# Altium PCB charger_pololu_3pi+.PcbDoc
Units mm, origin at the board's own origin, x right, y up, seen from the top; angles counter-clockwise.
Board outline 66.18 x 84.97 mm, 2 copper layers (Top Layer, Bottom Layer); 100 components, 58 nets, 305 pads, 0 vias.
Unrouted connection lines stored in the file: 208.
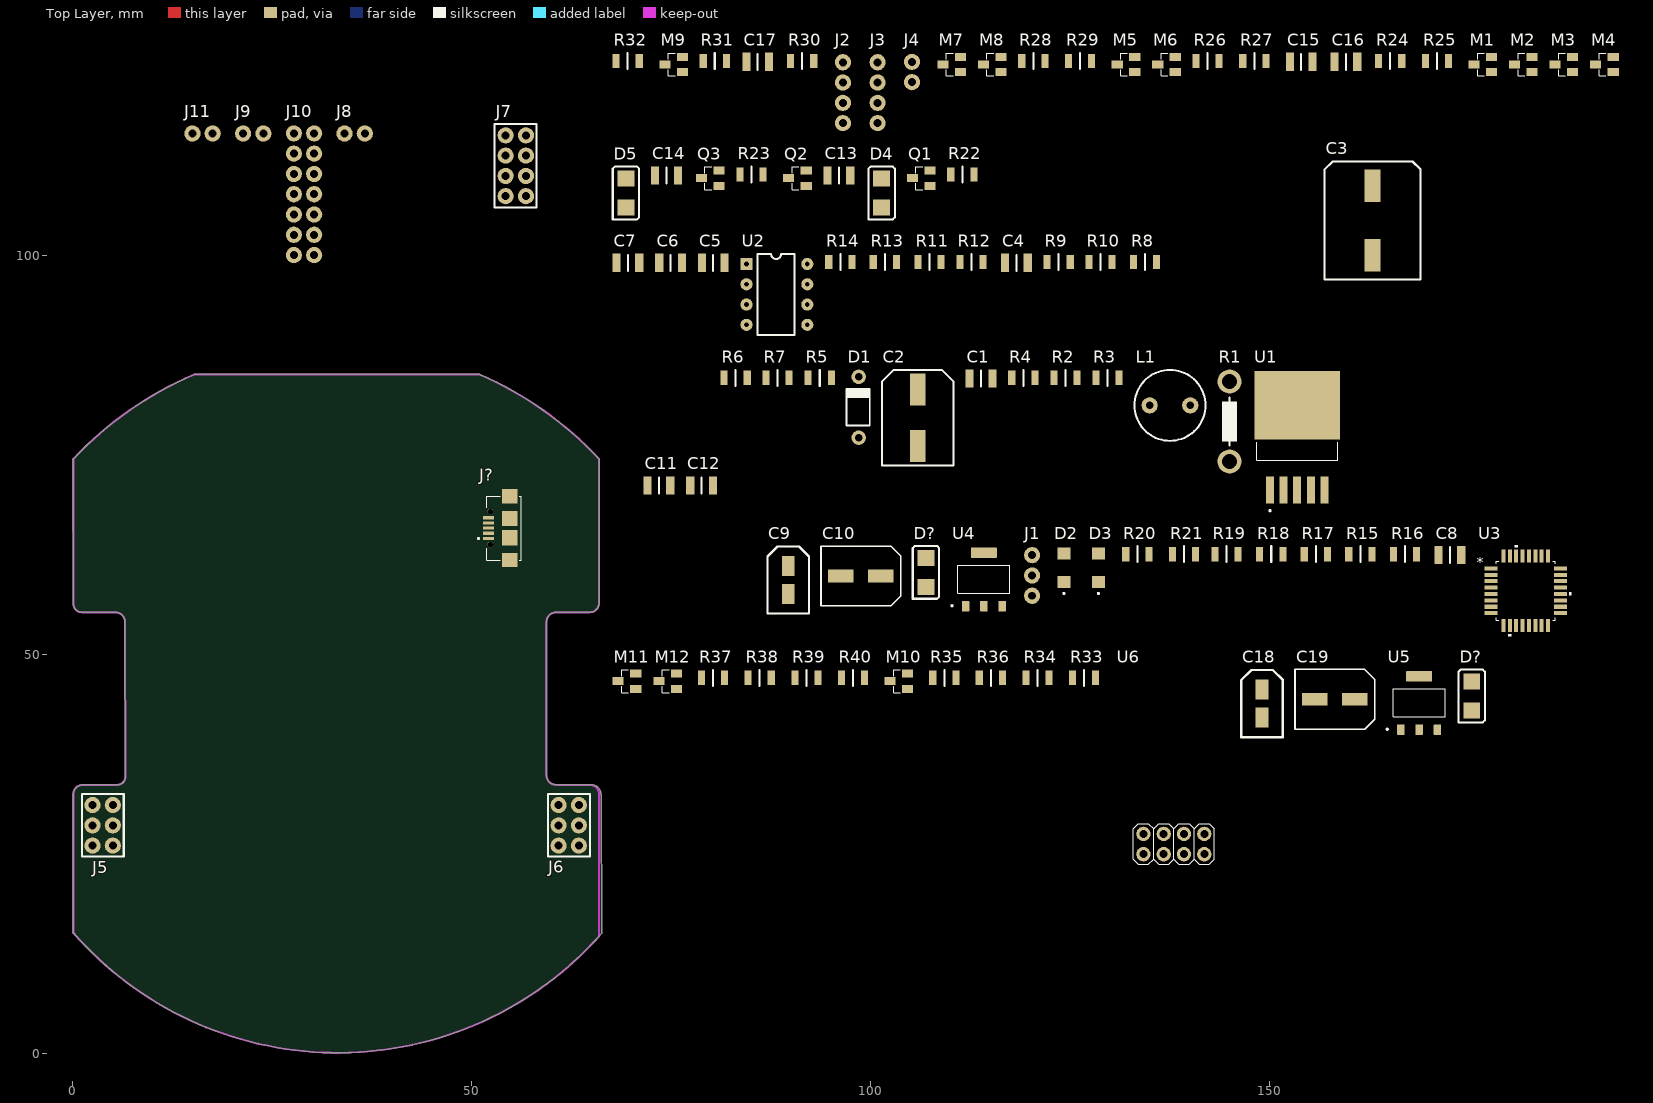
[diagram p0: Top Layer view]
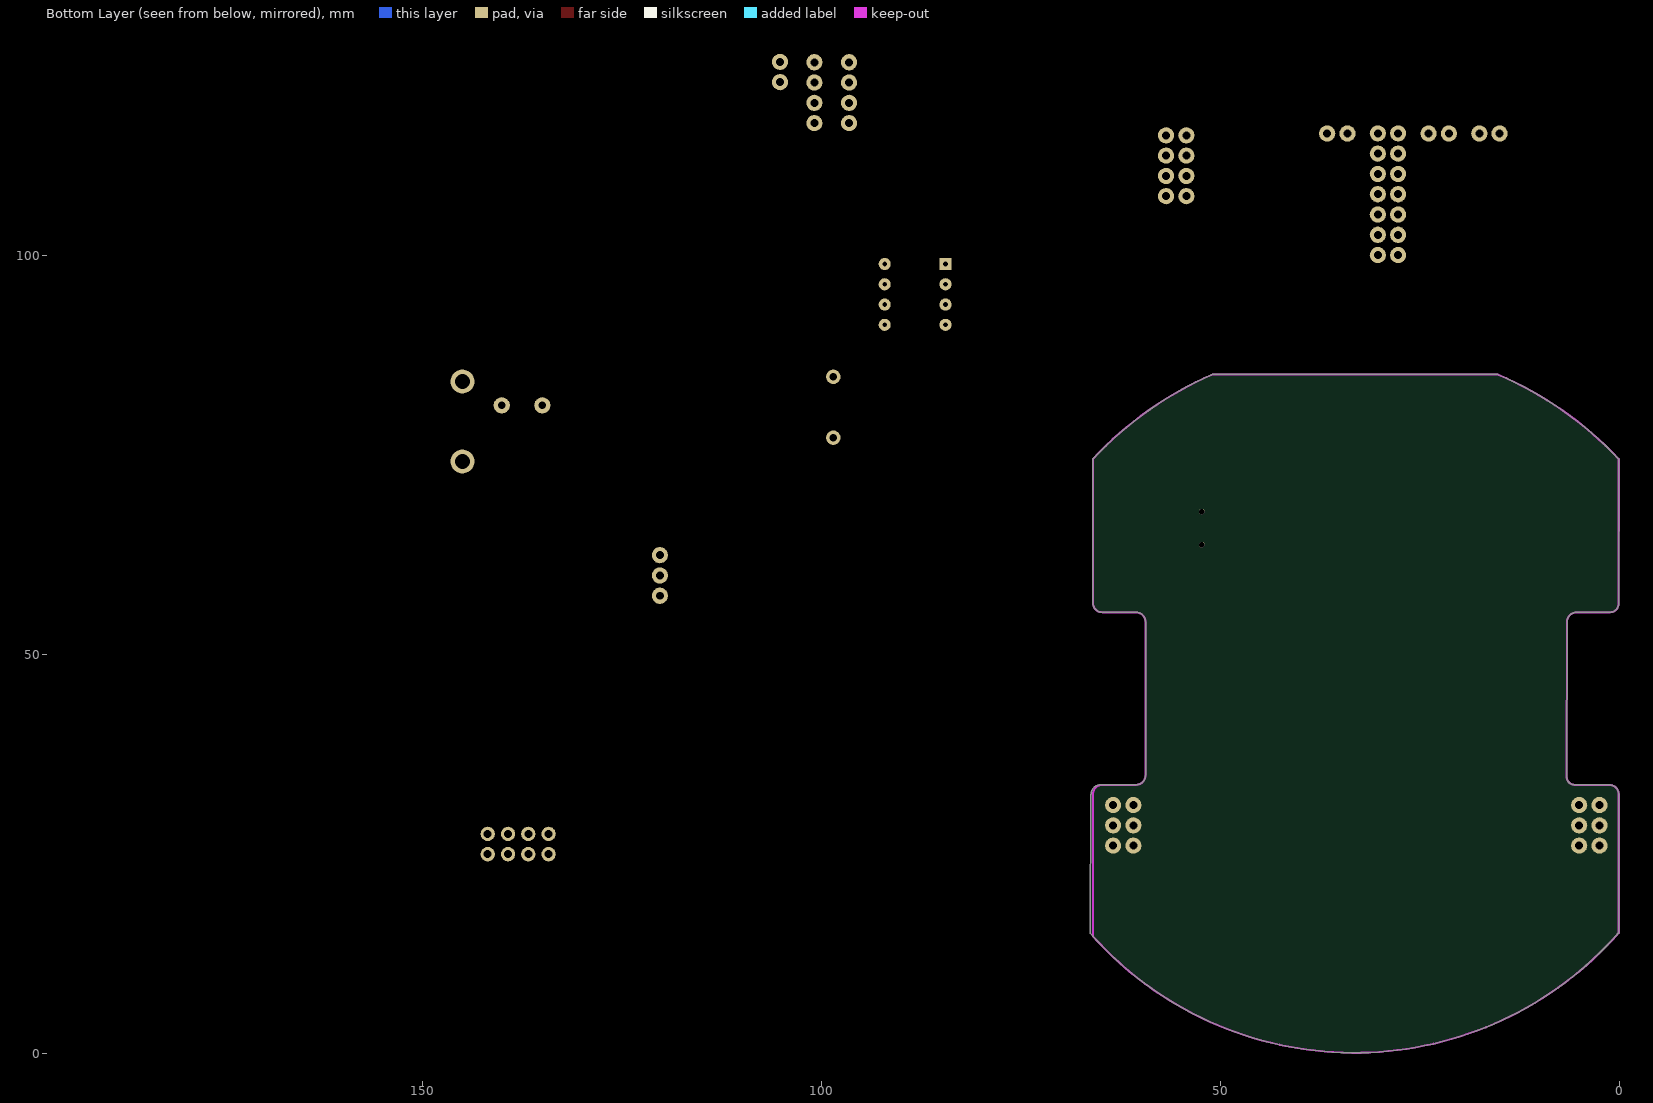
[diagram p1: Bottom Layer view, seen from below]

## Layer stack, top to bottom
Top Solder: solder mask 0.0102, Solder Resist, Dk 3.5
Top Layer: signal copper 0.0356
Dielectric 1: dielectric 0.32, FR-4, Dk 4.8
Bottom Layer: signal copper 0.0356
Bottom Solder: solder mask 0.0102, Solder Resist, Dk 3.5

## Board outline
0.125,15.169 0.127,32.525 0.127,32.5 cw(c1.327,32.5) 1.327,33.7 5.65,33.7 ccw(c5.65,34.702) 6.652,34.702 6.649,34.6 6.6,54.075 6.6,54.1 ccw(c5.4,54.1) 5.4,55.3 1.226,55.3 cw(c1.226,56.386) 0.139,56.386 0.127,74.5 cw(c33.001,43.624) 15.277,85.096 15.275,85.1 51,85.1 51.025,85.101 cw(c32.999,43.76) 66,74.5 66,56.5 cw(c64.8,56.5) 64.8,55.3 60.6,55.3 ccw(c60.6,54.1) 59.4,54.1 59.4,34.9 ccw(c60.6,34.9) 60.6,33.7 65.025,33.7 cw(c65.025,32.5) 66.225,32.5 66.232,32.525 66.3,15.1 66.298,15.076 cw(c33.252,44.127)

## Design rules (kind name [scope] priority, off if disabled: settings)
Clearance [All] p1: gap=0.254 ignorepadtopadclearanceinfootprint=FALSE
PolygonConnect [All] p1: connectstyle=Direct reliefconductorwidth=0.254 reliefentries=4 polygonreliefangle="90 Angle" airgapwidth=0.254
RoutingVias [All] p1: holewidth=0.711 width=1.27 viastyle="Through Hole" minholewidth=0.711 minwidth=1.27 maxholewidth=0.711 maxwidth=1.27
SolderMaskExpansion [All] p1: expansion=0.102 istentingtop=FALSE
Width [All] p1: maxlimit=2.54 minlimit=0.254 preferedwidth=0.762 minimp=50.000000 maximp=50.000000 favimp=50.000000
30 further rules are at their usual default settings.

## Classes and differential pairs
component class Designator: C18 C19 D? J5 J6 J7 J8 J9 J10 J11 M10 M11 M12 R33 R34 R35 R36 R37 R38 R39 R40 U5 U6
component class S6: C15 C16 C17 J2 J3 J4 M1 M2 M3 M4 M5 M6 M7 M8 M9 R24 R25 R26 R27 R28 R29 R30 R31 R32
component class S5: C13 C14 D4 D5 Q1 Q2 Q3 R22 R23
component class S3: C1 C2 C3 D1 L1 R1 R2 R3 R4 R5 R6 R7 U1
component class S1: C8 C9 C10 C11 C12 D2 D3 D? J1 J? R15 R16 R17 R18 R19 R20 R21 SW1 U3 U4
component class S4: C4 C5 C6 C7 R8 R9 R10 R11 R12 R13 R14 U2

## Components (designator, comment, footprint, x,y, rotation, side; value= is the part's Value field where it differs from the comment)
C1 "33nF" C1206 113.831,84.579 r0 top
C2 "220uF" "Electrolytic F" 105.905,79.679 r90 top
C3 "470uF" "Electrolytic G" 162.875,104.375 r90 top
C4 "1uF" C1206 118.256,99.08 r0 top
C5 "100nF" C1206 80.279,99.08 r0 top
C6 "100nF" C1206 74.954,99.08 r0 top
C7 "100nF" C1206 69.603,99.08 r0 top
C8 "100nF" C1206 172.558,62.478 r0 top
C9 "10uF" "Electrolytic B (D 4mm)" 89.679,59.353 r90 top
C10 "100uF" "ELECTROLYTIC D (D 6.3mm)" 98.78,59.853 r0 top
C11 "100nF" C1206 73.478,71.203 r0 top
C12 "100nF" C1206 78.829,71.203 r0 top
C13 "1uF" C1206 96.03,110.03 r0 top
C14 "1uF" C1206 74.429,110.03 r0 top
C15 "33nF" C1206 153.933,124.256 r0 top
C16 "33nF" C1206 159.533,124.256 r0 top
C17 "33nF" C1206 85.854,124.256 r0 top
C18 "10uF" "Electrolytic B (D 4mm)" 149.032,43.877 r90 top
C19 "100uF" "ELECTROLYTIC D (D 6.3mm)" 158.158,44.402 r0 top
D1 "1N5817" SOD81 98.505,77.179 r90 top
D2 "LED" LED_LTST-C230KRKT 124.206,60.878 r90 top
D3 "LED" LED_LTST-C230KRKT 128.531,60.878 r90 top
D4 "1N4007" DO214 101.38,107.83 r90 top
D5 "1N4007" DO214 69.353,107.83 r90 top
D? "1N4007" DO214 106.93,60.303 r90 top
D? "1N4007" DO214 175.284,44.827 r90 top
J1 "1X3 Connector" "1X3 Header-A" 120.231,57.378 r90 top
J2 "1X4 Connector" "1X4 Header-B" 96.53,116.581 r90 top
J3 "1X4 Connector" "1X4 Header-B" 100.88,116.581 r90 top
J4 "1X2 connector" "1X2 Header-A" 105.18,121.706 r90 top
J5 "2x3 Connector" "2x3 HEADER-D" 2.54,31.16 r270 top
J6 "2x3 Connector" "2x3 HEADER-D" 60.92,31.16 r270 top
J7 "2x4 Connector" "2x4 HEADER-D" 56.83,107.426 r90 top
J8 "1X2 connector" "1X2 Header-D" 34.104,115.276 r0 top
J9 "1X2 connector" "1X2 Header-D" 21.404,115.276 r0 top
J10 "2x7 connector" "2x7 HEADER-D" 30.304,100.05 r90 top
J11 "1X2 connector" "1X2 Header-D" 15.053,115.276 r0 top
J? "MicroUSB" "USB Micro-B" 54.8,65.85 r90 top
L1 "68u" "L_RADIAL 0.2" 134.957,81.229 r0 top
M1 "AO3401A" SOT23-3L 176.684,123.931 r0 top
M2 "AO3401A" SOT23-3L 181.759,123.931 r0 top
M3 "AO3401A" SOT23-3L 186.834,123.931 r0 top
M4 "AO3401A" SOT23-3L 191.909,123.931 r0 top
M5 "2N7002" SOT23-3L 131.981,123.931 r0 top
M6 "2N7002" SOT23-3L 137.057,123.931 r0 top
M7 "AO3401A" SOT23-3L 110.155,123.931 r0 top
M8 "AO3401A" SOT23-3L 115.231,123.931 r0 top
M9 "2N7002" SOT23-3L 75.329,123.931 r0 top
M10 "2N7002" SOT23-3L 103.53,46.677 r0 top
M11 "2N7002" SOT23-3L 69.478,46.677 r0 top
M12 "2N7002" SOT23-3L 74.579,46.677 r0 top
Q1 "MMBT5551" SOT23-3L 106.33,109.68 r0 top
Q2 "MMBT5401" SOT23-3L 90.829,109.68 r0 top
Q3 "MMBT5551" SOT23-3L 79.904,109.68 r0 top
R1 "15m" "Shunt 10mm" 144.957,74.204 r90 top
R2 "1.5K" R1206 124.406,84.679 r0 top
R3 "100K" R1206 129.656,84.679 r0 top
R4 "330K" R1206 119.131,84.679 r0 top
R5 "3K" R1206 93.63,84.679 r0 top
R6 "10K" R1206 83.104,84.679 r0 top
R7 "750" R1206 88.354,84.679 r0 top
R8 "33K" R1206 134.382,99.18 r0 top
R9 "10" R1206 123.556,99.18 r0 top
R10 "150" R1206 128.806,99.18 r0 top
R11 "10" R1206 107.38,99.18 r0 top
R12 "150" R1206 112.63,99.18 r0 top
R13 "33K" R1206 101.78,99.18 r0 top
R14 "22K" R1206 96.205,99.18 r0 top
R15 "10K" R1206 161.333,62.578 r0 top
R16 "10K" R1206 166.933,62.578 r0 top
R17 "10K" R1206 155.758,62.578 r0 top
R18 "30K" R1206 150.182,62.578 r0 top
R19 "30K" R1206 144.582,62.578 r0 top
R20 "330" R1206 133.407,62.578 r0 top
R21 "330" R1206 139.257,62.578 r0 top
R22 "1K" R1206 111.48,110.13 r0 top
R23 "1K" R1206 85.079,110.13 r0 top
R24 "10K" R1206 165.083,124.356 r0 top
R25 "10K" R1206 170.933,124.356 r0 top
R26 "10" R1206 142.207,124.356 r0 top
R27 "10" R1206 148.057,124.356 r0 top
R28 "10K" R1206 120.381,124.356 r0 top
R29 "10K" R1206 126.231,124.356 r0 top
R30 "10K" R1206 91.429,124.356 r0 top
R31 "10" R1206 80.479,124.356 r0 top
R32 "10K" R1206 69.578,124.356 r0 top
R33 "10K" R1206 126.731,47.102 r0 top
R34 "20K" R1206 120.906,47.102 r0 top
R35 "10K" R1206 109.23,47.102 r0 top
R36 "10K" R1206 115.056,47.102 r0 top
R37 "10K" R1206 80.254,47.102 r0 top
R38 "10K" R1206 86.104,47.102 r0 top
R39 "10K" R1206 91.954,47.102 r0 top
R40 "10K" R1206 97.78,47.102 r0 top
U1 "LM2596S-ADJ/NOPB" VREG_LM2596S-ADJ/NOPB 153.432,81.229 r90 top
U2 "TL082" DIP8 84.454,98.93 r0 top
U3 "ATMEGA328P-AU" TQFP32_32A_MCH-M 182.059,58.003 r0 top
U4 "AMS1117-5.0" SOT229P700X180-4N 114.181,59.428 r0 top
U5 "AMS1117-3.3" SOT229P700X180-4N 168.708,43.952 r0 top
U6 "ESP-01" ESP-01 137.982,26.276 r0 top

## Footprints (in the part's own frame and the unit in brackets; to place one, negate y for a bottom-side part, rotate by r counter-clockwise, add the part's x,y. Pads: shape width x height; smd on the part's side, far side on the other; paste and mask are expansions set on the pad)
"1X2 Header-A" [mil]
  round 80 hole 39.37: 1(0,0) 2(100,0)
  body extent -49,-49 149,49, height 336
"1X2 Header-D" [mil]
  round 80 hole 39.37: 1(0,0) 2(100,0)
  body extent -50,-50 150,50, height 350
"1X3 Header-A" [mil]
  round 80 hole 39.37: 1(0,0) 2(100,0) 3(200,0)
  body extent -49,-49 249,49, height 336
"1X4 Header-B" [mil]
  round 80 hole 39.37: 1(0,0) 2(100,0) 3(200,0) 4(300,0)
  body extent -50,-50 350,50, height 100
"2x3 HEADER-D" [mil]
  round 80 hole 39.37: 1(0,0) 2(100,0) 3(200,0) 4(200,100) 5(100,100) 6(0,100)
  silkscreen extent -55,-53 253,154, body extent -50,-50 250,150, height 350
"2x4 HEADER-D" [mil]
  round 80 hole 39.37: 1(0,0) 2(100,0) 3(200,0) 4(300,0) 5(300,100) 6(200,100) 7(100,100) 8(0,100)
  silkscreen extent -55,-53 355,154, body extent -50,-50 350,150, height 350
"2x7 HEADER-D" [mil]
  round 80 hole 39.37: 1(0,0) 2(100,0) 3(200,0) 4(300,0) 5(400,0) 6(500,0) 7(600,0) 8(600,100) 9(500,100) 10(400,100) 11(300,100) 12(200,100) 13(100,100) 14(0,100)
  body extent -50,-50 650,150, height 350
C1206 [mil]
  rect 40x90 smd: 1(-56,0) 2(56,0)
  silkscreen extent 0,-39 0,39, body extent -63,-31 63,31, height 32
DIP8 [mil]
  rect 60x60 hole 23.62: 1(0,0)
  round 60 hole 23.62: 2(0,-100) 3(0,-200) 4(0,-300) 5(300,-300) 6(300,-200) 7(300,-100) 8(300,0)
  silkscreen extent 55,-350 237,50, body extent -5,-331 305,31, height 152
DO214 [mm]
  rect 2x2.1 smd: 1(-1.8,0) 2(1.8,0)
  silkscreen extent -3.3,-1.65 3.3,1.65, body extent -2.6,-1.45 2.6,1.45, height 2.3
"Electrolytic B (D 4mm)" [mm]
  rect 2.5x1.6 smd: 1(-1.75,0) 2(1.75,0)
  silkscreen extent -4.2,-2.6 4.2,2.6, body extent -2.75,-2.25 2.75,2.25, height 5.5
"ELECTROLYTIC D (D 6.3mm)" [mm]
  rect 3.2x1.6 smd: 1(-2.5,0) 2(2.5,0)
  silkscreen extent -5,-3.75 5,3.75, body extent -3.9,-3.4 3.9,3.4, height 5.5
"Electrolytic F" [mm] "8x10.2 mm"
  rect 4x2 smd: 1(-3.55,0) 2(3.55,0)
  silkscreen extent -6,-4.5 6,4.5, body extent -5,-4.25 5,4.25, height 10.5
"Electrolytic G" [mm] "10x10.2 mm"
  rect 4.1x2 smd: 1(-4.35,0) 2(4.35,0)
  silkscreen extent -7.4,-6 7.4,6, body extent -6,-5.25 6,5.25, height 10.5
ESP-01 [mm]
  round 1.8 hole 1: 1(-3.81,-1.27) 2(-3.81,1.27) 3(-1.27,-1.27) 4(-1.27,1.27) 5(1.27,-1.27) 6(1.27,1.27) 7(3.81,-1.27) 8(3.81,1.27)
  silkscreen extent -5.08,-2.54 5.08,2.54, body extent -7.39,-2.74 7.01,21.96, height 15.14
"L_RADIAL 0.2" [mil]
  round 80 hole 36: 1(0,0) 2(200,0)
  silkscreen extent -75,-175 275,175, body extent -67,-167 267,167, height 433
LED_LTST-C230KRKT [mm]
  rect 1.5x1.6 smd: A(1.8,0) C(-1.8,0)
  silkscreen extent -3.3,-0.1 -3.1,0.1, body extent -1.6,-0.8 1.6,0.8, height 1.1
R1206 [mil]
  rect 35x70 smd: 1(-57,0) 2(57,0)
  silkscreen extent 0,-39 0,39, body extent -63,-31 63,31, height 20
"Shunt 10mm" [mm]
  round 3 hole 1.9: 1(0,0) 2(10,0)
  silkscreen extent 2,-0.95 8,0.95, body extent -1.24,-1.25 10.88,1.25, height 8.74
SOD81 [mm]
  round 1.8 hole 0.9: 1(0,0) 2(7.62,0)
  silkscreen extent 1.52,-1.4 6.1,1.52, body extent -0.28,-1.01 7.9,0.89, height 2.9
SOT23-3L [mm]
  rect 1.4x1 smd: 1(1.1,-0.95) 2(1.1,0.95) 3(-1.1,0)
  silkscreen extent -0.66,-1.42 0.19,1.42, body extent -1.2,-1.45 1.2,1.45, height 1
SOT229P700X180-4N [mm]
  rrect15% 0.93x1.31 smd: 1(-2.29,-3.345) 2(0,-3.345) 3(2.29,-3.345)
  rrect15% 3.24x1.31 smd: 4(0,3.345)
  silkscreen extent -4.09,-3.4 3.25,1.75, body extent -3.25,-3.5 3.25,3.5, height 1.8
TQFP32_32A_MCH-M [mil]
  rect 64x20 smd paste+0 mask+0: 1(-172,110.24) 2(-172,78.74) 3(-172,47.24) 4(-172,15.75) 5(-172,-15.75) 6(-172,-47.24) 7(-172,-78.74) 8(-172,-110.24) 17(172,-110.24) 18(172,-78.74) 19(172,-47.24) 20(172,-15.75) 21(172,15.75) 22(172,47.24) 23(172,78.74) 24(172,110.24)
  rect 20x64 smd paste+0 mask+0: 9(-110.24,-172) 10(-78.74,-172) 11(-47.24,-172) 12(-15.75,-172) 13(15.75,-172) 14(47.24,-172) 15(78.74,-172) 16(110.24,-172) 25(110.24,172) 26(78.74,172) 27(47.24,172) 28(15.75,172) 29(-15.75,172) 30(-47.24,172) 31(-78.74,172) 32(-110.24,172)
  silkscreen extent -145,-224 224,224, body extent -182,-182 182,182, height 47
"USB Micro-B" [mm]
  rect 0.4x1.35 smd: 1(-1.3,2.675) 2(-0.65,2.675) 3(0,2.675) 4(0.65,2.675) 5(1.3,2.675)
  rect 1.8x1.9 smd: S1(-4,0) S4(4,0)
  rect 1.9x1.9 smd: S2(-1.2,0) S3(1.2,0)
  round 0.7 hole 0.7 unplated: ""(-2.075,2.45) ""(2.075,2.45)
  silkscreen extent -4,-1.45 4,4, body extent -4.04,-2.84 4.04,2.72, height 2.76
VREG_LM2596S-ADJ/NOPB [mm]
  rect 3.4x1 smd paste-0.05 mask+0.07: 1(-10.6,3.4) 2(-10.6,1.7) 3(-10.6,0) 4(-10.6,-1.7) 5(-10.6,-3.4)
  rect 8.6x10.7 smd paste-0.05 mask+0.07: 6(0,0)
  silkscreen extent -13.3,-5.08 -4.62,5.08, body extent -10.67,-5.08 3.68,5.08, height 4.65

## Part data
C1 C4 C5 C6 C7 C8 C11 C12 C13 C14 C15 C16 C17: library part Capacitor
C2 C3 C9 C10 C18 C19: library part "Electrolytic Capacitor"
D1: library part "Schottky Diode"
D2 D3: "Red 631nm LED Indication - Discrete 2V 1206 (3216 Metric)", Package="1206 Lite-On", Availability="In Stock", Check_prices=https://www.snapeda.com/parts/LTST-C230KRKT/Lite-On+Inc./view-part/?ref=eda, MF="Lite-On Inc.", MP=LTST-C230KRKT, Price=None, Purchase-URL=https://pricing.snapeda.com/search?q=LTST-C230KRKT&ref=eda, SnapEDA_Link=https://www.snapeda.com/parts/LTST-C230KRKT/Lite-On+Inc./view-part/?ref=snap
J?: "USB - micro B USB 2.0 Receptacle Connector 5 Position Surface Mount, Right Angle", Package=None, Availability=Unavailable, MF="Wurth Electronics", MP=629105136821, Price=None, SnapEDA_Link=https://www.snapeda.com/parts/629105136821/Wurth%20Electronics%20Inc./view-part/1118247/?ref=snap
L1: library part Inductor
M1 M2 M3 M4 M7 M8: "P-Channel 30 V 4A (Ta) 1.4W (Ta) Surface Mount SOT-23-3", Package="TO-236-3 Alpha &amp; Omega Semiconductor Inc.", Availability="In Stock", Check_prices=https://www.snapeda.com/parts/AO3401A/Alpha+%2526+Omega+Semiconductor+Inc./view-part/?ref=eda, MF="Alpha & Omega Semiconductor Inc.", MP=AO3401A, Price=None, Purchase-URL=https://pricing.snapeda.com/search/part/AO3401A/?ref=eda, SnapEDA_Link=https://www.snapeda.com/parts/AO3401A/Alpha+%2526+Omega+Semiconductor+Inc./view-part/?ref=snap
M5 M6 M9 M10 M11 M12: "N-Channel 60V 280mA (Ta) 350mW (Ta) Surface Mount SOT-23-3 (TO-236)", Package=None, Availability=Unavailable, MP=altium_native_batch, Price=None
R1 R2 R3 R4 R5 R6 R7 R8 R9 R10 R11 R12 R13 R14 R15 R16 R17 R18 R19 R20 R21 R22 R23 R24 R25 R26 R27 R28 R29 R30 R31 R32 R33 R34 R35 R36 R37 R38 R39 R40: library part Resistor
U1: "SIMPLE SWITCHER&reg; 4.5V to 40V, 3A Low Component Count Step-Down Regulator", Package="TO-263-5 Texas Instruments", Availability="In Stock", Check_prices=https://www.snapeda.com/parts/LM2596S-ADJ/NOPB/Texas+Instruments/view-part/?ref=eda, MF="Texas Instruments", MP=LM2596S-ADJ/NOPB, Price=None, Purchase-URL=https://pricing.snapeda.com/search/part/LM2596S-ADJ/NOPB/?ref=eda, SnapEDA_Link=https://www.snapeda.com/parts/LM2596S-ADJ/NOPB/Texas+Instruments/view-part/?ref=snap
U3: "No Description Available", Mfr_Name=Microchip, RefDes=RefDes, Type=Type
U4 U5: "1A LOW DROPOUT VOLTAGE REGULATOR", Package="SOT-223 Seeed Technology", Availability="Not in stock", Check_prices=https://www.snapeda.com/parts/AMS1117-5.0/ams/view-part/?ref=eda, MF=ams, MP=AMS1117-5.0, Price=None, SnapEDA_Link=https://www.snapeda.com/parts/AMS1117-5.0/ams/view-part/?ref=snap
U6: "ESP8266 ESP-01 Transceiver; 802.11 b/g/n (Wi-Fi, WiFi, WLAN) Evaluation Board", Package=Package, Availability="In Stock", Check_prices=https://www.snapeda.com/parts/ESP-01/AI-Thinker/view-part/5164489/?ref=eda, MF=AI-Thinker, MP=ESP-01, Price=None, Purchase-URL=https://pricing.snapeda.com/search/part/ESP-01/?ref=eda, SnapEDA_Link=https://www.snapeda.com/parts/ESP-01/AI-Thinker/view-part/5164489/?ref=snap

## Nets (pads, with @x,y where several pads share a name; then routed paths per layer and width w, separated by ;. In a path a pad name is that pad's centre, name@x,y a point inside that pad or via, vN(x,y) a via of type N, cw(c..) or ccw(c..) an arc to the next point about the centre after c; other vN are vias at no path point)
3.3V: C19.2 M10.1 M11.1 M12.1 R35.1 R37.1 R39.1 U5.2 U6.2 U6.6
3.3V_SCL: M12.2 R39.2 U6.3
3.3V_SDA: M10.2 R35.2 U6.5
3.3V_TX: M11.2 R37.2 U6.8
5V: C10.2 C11.2 C12.2 R6.2 R17.1 R36.1 R38.1 R40.1 U3.4 U3.6 U3.18 U4.2
-PVDD: C7.1 C14.1 D4.1 U2.4
GND: C2.1 C3.1 C5.1 C6.1 C7.2 C8.1 C9.1 C10.1 C11.1 C12.1 C14.2 C18.1 C19.1 D1.1 D2.C D3.C D5.2 J1.3 J3.1 J3.2 J3.3 J3.4 J4.2 J5.1 J6.1 J7.1 J7.2 J7.3 J7.4 J9.2 J10.4 J10.7 J10.8 J10.11 J11.2 J?.5 M5.2 M6.2 M9.2 Q2.3 Q3.2 R7.2 R13.2 R18.2 R19.2 R28.2 R29.2 R32.2 R34.1 U1.3 U1.6 U3.3 U3.5 U3.21 U4.1 U5.1 U6.7
led_LiON: R21.1 U3.8
led_NiMH: R20.1 U3.7
Li_FB: C1.1 R2.2 R3.2 R4.1 R5.1 R7.1 U1.4
LiON_Battery: J2.1 J2.2 J2.3 J2.4 M2.3 M7.3 U3.25
NetC2_2: C2.2 L1.1 R1.1 R11.1
NetC4_1: C4.1 R11.2 R12.1
NetC4_2: C4.2 R9.2 R10.1
NetC6_2: C6.2 R14.2 U2.3
NetC8_2: C8.2 U3.20
NetC13_1: C13.1 Q1.2 Q2.2
NetC13_2: C13.2 D4.2 D5.1
NetC15_1: C15.1 M1.1 M2.1 R24.2 R26.2
NetC15_2: C15.2 M1.2 M2.2 R24.1
NetC16_1: C16.1 M3.1 M4.1 R25.2 R27.2
NetC16_2: C16.2 M3.2 M4.2 R25.1
NetC17_1: C17.1 M7.1 M8.1 R30.2 R31.2
NetC17_2: C17.2 M7.2 M8.2 R30.1
NetD1_2: D1.2 L1.2 U1.2
NetD2_A: D2.A R20.2
NetD3_A: D3.A R21.2
NetJ7_5: J7.5 M8.3
NetJ8_1: J8.1 U3.14
NetJ10_5: J10.5 M11.3 R38.2
NetJ10_10: J10.10 R33.2
NetM5_1: M5.1 R28.1 U3.11
NetM5_3: M5.3 R26.1
NetM6_1: M6.1 R29.1 U3.12
NetM6_3: M6.3 R27.1
NetM9_1: M9.1 R32.1 U3.15
NetM9_3: M9.3 R31.1
NetM10_3: M10.3 R36.2 U3.27
NetM12_3: M12.3 R40.2 U3.28
NetQ1_1: Q1.1 Q2.1 Q3.3 R22.2
NetQ3_1: Q3.1 R23.1
NetR4_2: R4.2 R5.2 U2.1 U2.2
NetR6_1: R6.1 U1.5 U3.16
NetR8_1: R8.1 R10.2 U2.6
NetR8_2: R8.2 U2.7 U3.26
NetR12_2: R12.2 R13.1 U2.5
NetR14_1: R14.1 U3.13
NetR23_2: R23.2 U3.10
NetR33_1: R33.1 R34.2 U6.1
NiMH_Battery: J4.1 J9.1 J11.1 M4.3 R15.1
PVDD: C3.2 C5.2 C9.2 C18.2 D?.2 Q1.3 R22.1 U1.1 U2.8 U4.3 U5.3
Reset: R17.2 U3.29
RX: J1.2 J?.3 U3.30
TX: J1.1 J?.2 U3.31
V_Buck: R16.2 R19.1 U3.23
V_NiMH: R15.2 R18.1 U3.24
Vin: C1.2 M1.3 M3.3 R1.2 R2.1 R3.1 R9.1 R16.1
VM: D?.1 J7.6
pads on no net: J5.2 J5.3 J5.4 J5.5 J5.6 J6.2 J6.3 J6.4 J6.5 J6.6 J7.7 J7.8 J8.2 J10.1 J10.2 J10.3 J10.6 J10.9 J10.12 J10.13 J10.14 J?. J?.1 J?.4 J?.S1 J?.S2 J?.S3 J?.S4 U3.1 U3.2 U3.9 U3.17 U3.19 U3.22 U3.32 U4.4 U5.4 U6.4

## Keep-outs
Keep-Out Layer:
  lines w0.254: 0.125,15.169 ccw(c33.252,44.127) 66.003,14.744 ; 0.127,15.175 0.127,32.525 ; 0.127,32.5 cw(c1.327,32.5) 1.327,33.7 ; 1.325,33.7 5.65,33.7 ccw(c5.65,34.702) 6.652,34.702 ; 6.6,54.075 6.649,34.6 ; 6.6,54.1 ccw(c5.4,54.1) 5.4,55.3 1.226,55.3 cw(c1.226,56.386) 0.139,56.386 0.127,74.5 cw(c33.001,43.624) 15.277,85.096 ; 15.275,85.1 51,85.1 ; 51.025,85.101 cw(c32.999,43.76) 66,74.5 66,56.5 cw(c64.8,56.5) 64.8,55.3 60.55,55.3 ; 59.4,54.1 cw(c60.6,54.1) 60.6,55.3 ; 59.4,54.15 59.4,34.9 ccw(c60.6,34.9) 60.6,33.7 64.8,33.7 cw(c64.8,32.5) 66,32.5 66,14.75

## Text inside footprints (layer, text, board x,y; h text height)
U3: Top Overlay "*" at 175.925,60.949 h1.27